# Altium PCB TIDA-01576_ADS8686S_ISO_Interface.PcbDoc (part 4 of 4)
Units mil, origin at the board's own origin, x right, y up, seen from the top; angles counter-clockwise.
Board outline 6102.36 x 3937.01 mil, 4 copper layers (Top Layer, VCC, GND, Bottom Layer), stack 61.6 mil thick; 358 components, 188 nets, 975 pads, 367 vias.
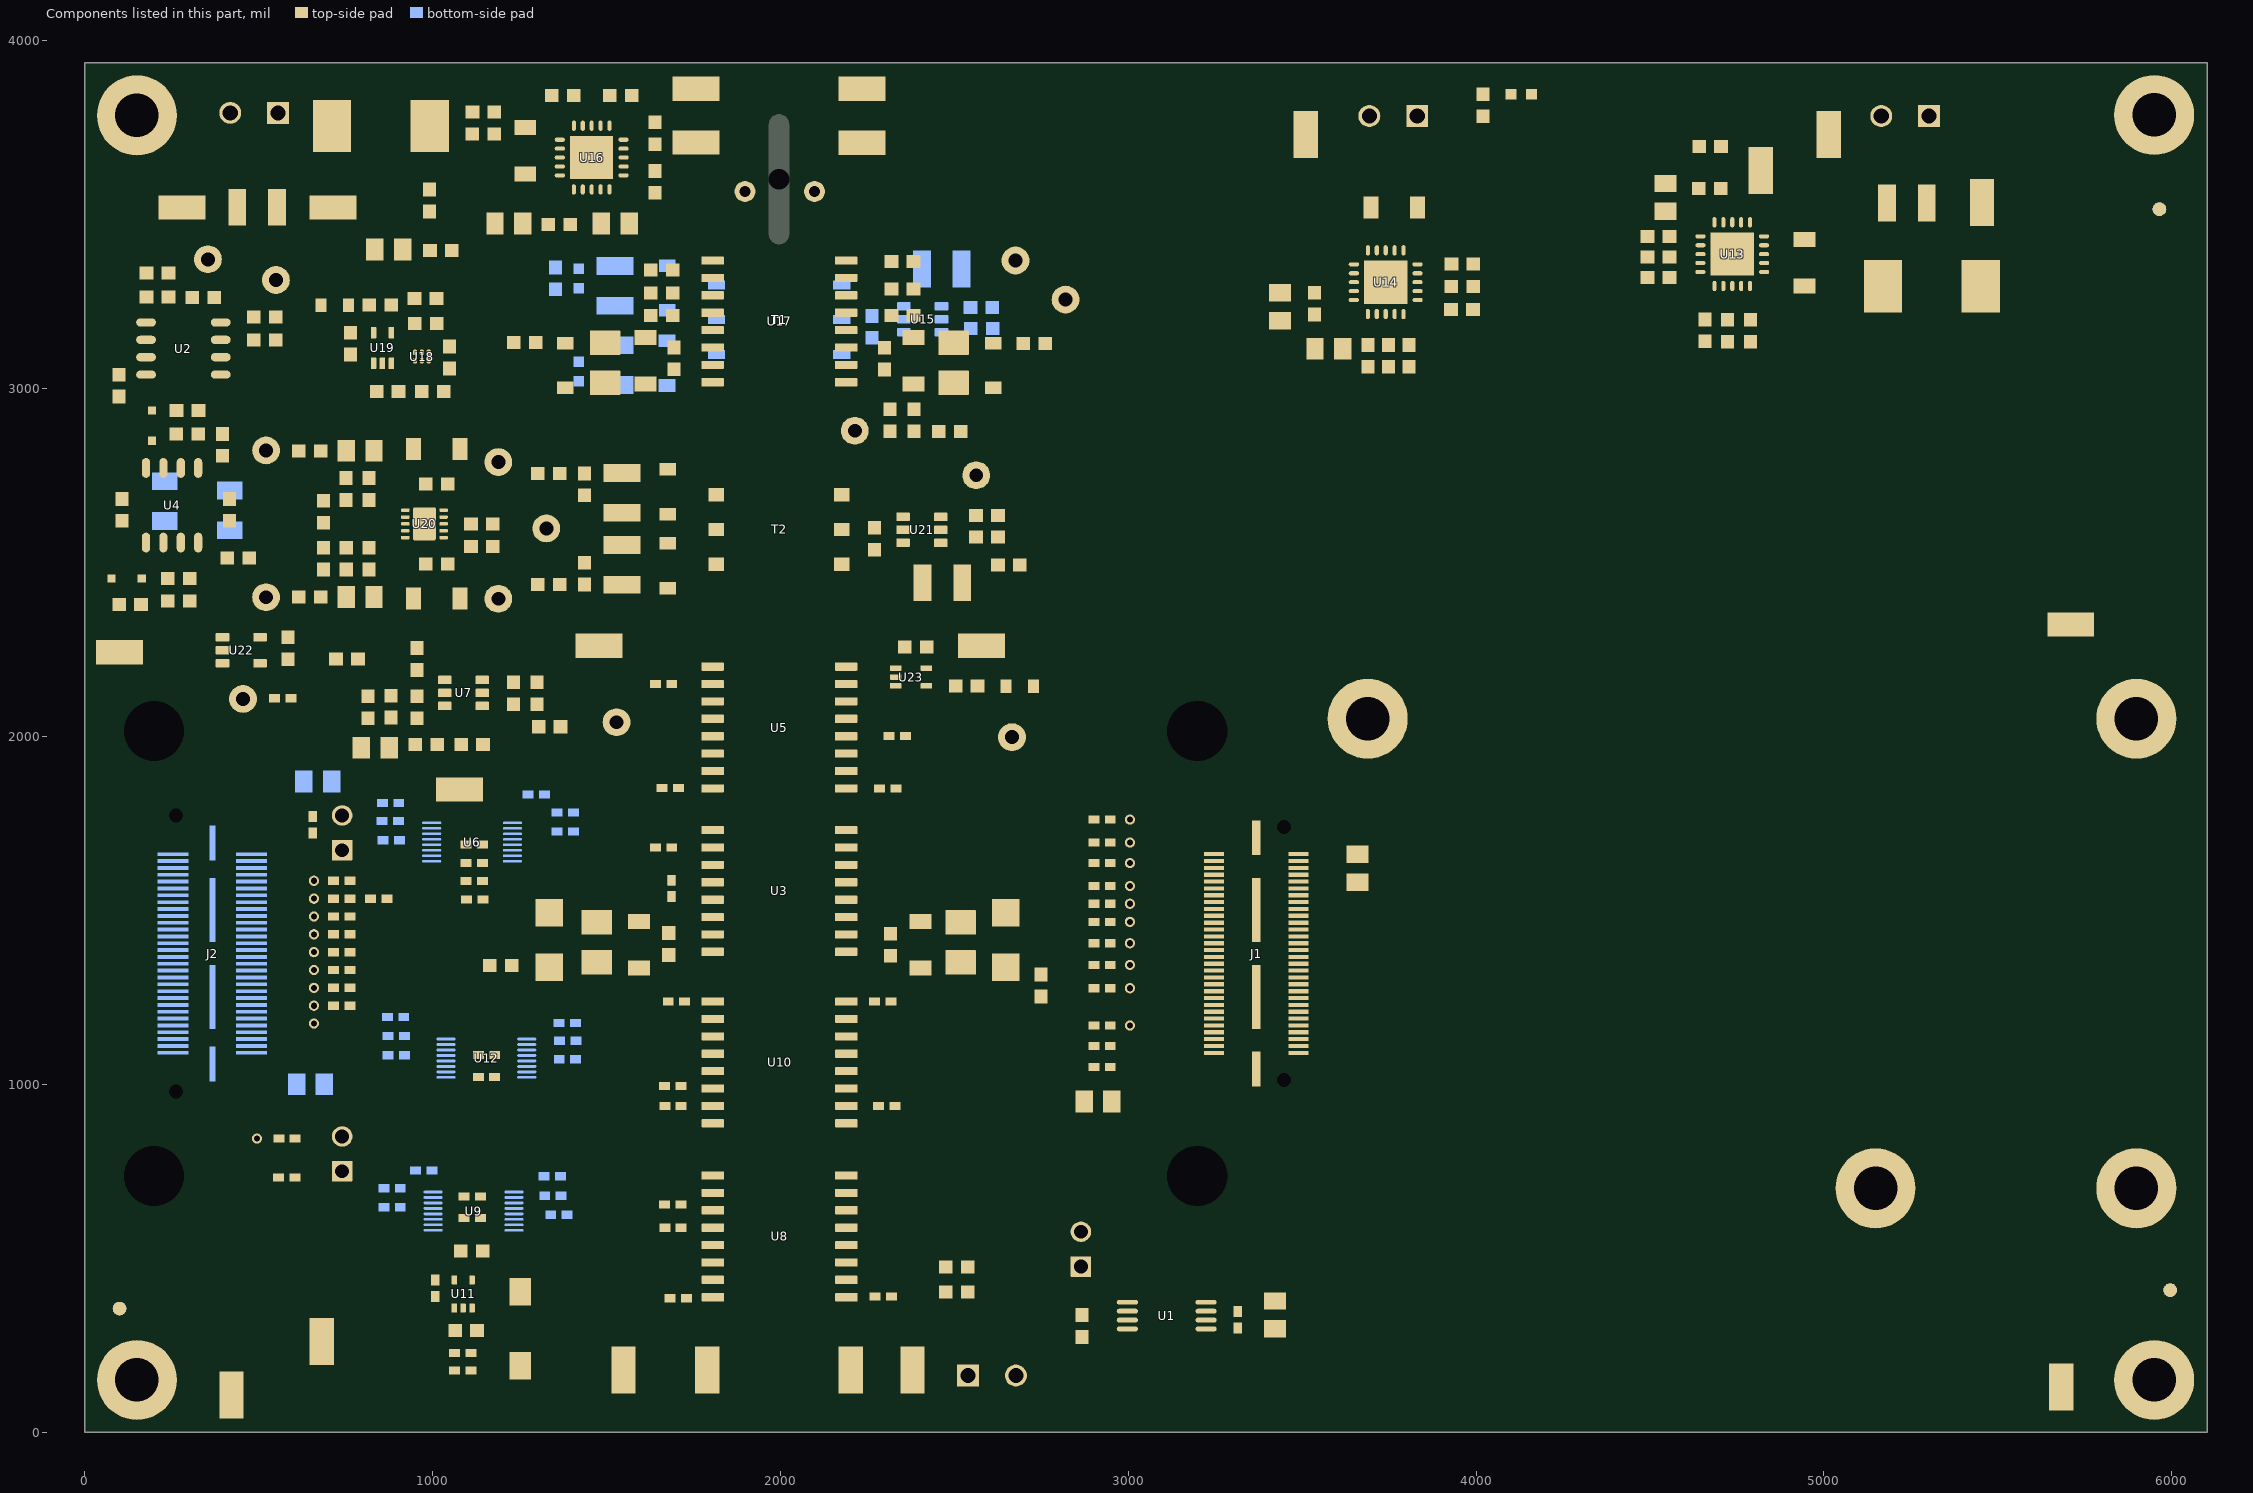
[diagram p6: the components of this part, seen from the top]

## Polygon pours and split planes (outlines as drawn) (continued)
NetC78_2 on Top Layer "dg" (solid, remove dead copper, pour order 140): 1081.3,2715.7 1097.6,2732 1320,2732 1324,2736 1324,2870 1307.21,2886.79 1029.39,2886.79 1020.39,2877.79 1020.39,2644.79 1022.39,2642.79 1062.39,2642.79 1069.39,2649.79 1069.39,2666.79 1069.39,2703.79
NetC67_2 on Top Layer "dg" (solid, remove dead copper, pour order 138): 1111.06,2477.06 1130.12,2458 1321.43,2458 1324.58,2454.84 1324.58,2344.58 1316,2336 1159.65,2336 1159.39,2335.73 1029.39,2335.73 1020.39,2344.73 1020.39,2577.73 1022.39,2579.73 1062.39,2579.73 1069.39,2572.73 1069.39,2555.73 1069.39,2518.73
GND on Top Layer "TOP_LAYER_GND_P056" (solid, remove dead copper, pour order 56): 3190.75,337.5 3292,337.5 3300,329.5 3365,329.5 3385.75,350.25 3461.25,350.25 3470,359 3470,454.75 3452.25,472.5 3207.25,472.5 3185.75,451 3185.75,342.5 3190.75,337.5
PGND2 on Bottom Layer "BOTTOM_LAYER_PGND2_P258" (solid, remove dead copper, pour order 258): 5717,28 5728,39 5728,188 5707,209 2172,209 2155,192 2155,37 2164,28
PGND1 on Bottom Layer "BOTTOM_LAYER_PGND1_P256" (solid, remove dead copper, pour order 256): 5500,3749 5614,3635 5614,2279 5624,2269 5783,2269 5796,2282 5796,3793.02 5679.73,3912 2161,3912 2155,3906 2155,3771 2177,3749
I_PGND1 on Bottom Layer "BOTTOM_LAYER_I_PGND1_P254" (solid, remove dead copper, pour order 254): 1828,3912 372,3912 309,3849 309,3664.2 278.8,3634 91,3634 29,3572 29,2207 41,2195 154.35,2195 190,2230.65 190,3416 214,3440 418,3440 441,3463 441,3663 543,3765 1826,3765 1839,3778 1839,3901
I_PGND2 on Bottom Layer "BOTTOM_LAYER_I_PGND2_P252" (solid, remove dead copper, pour order 252): 381,26 373,34 373,199 392,218 1821,218 1839,200 1839,32 1833,26
IGND on Bottom Layer "BOTTOM_LAYER_IGND_P244" (solid, remove dead copper, pour order 244): 681,1840 690,1831 803,1831 816,1844 816,1955 800,1971 698,1971 681,1954
ISO_5V5 on Bottom Layer "BOTTOM_LAYER_ISO_5V5_P242" (solid, remove dead copper, pour order 242): 432,1653 534.68,1653 661,1779.32 661,1992 645,2008 522,2008 498,1984 498,1826 428,1756 429.5,1754.5 429.5,1655.5
+6V_PH on Bottom Layer "BOTTOM_LAYER_+6V_PH_P208" (solid, remove dead copper, pour order 208): 1073,3840 1080,3847 1145,3847 1154,3838 1154,3747.98 1154,3380 1226.59,3307.41 1377,3307.41 1381.27,3303.14 1381.27,3240.27 1374,3233 1184,3233 1073,3344 1073,3749
IGND on Bottom Layer "BOTTOM_LAYER_IGND_P206" (solid, remove dead copper, pour order 206): 1396.38,3302 1396.38,3065.62 1406,3056 1577,3056 1586,3065 1586,3296 1577,3305 1399.38,3305
NetC51_1 on Bottom Layer "BOTTOM_LAYER_NETC51_1_P204" (solid, remove dead copper, pour order 204): 1320.35,3385.35 1320.35,3333.65 1327,3327 1702.63,3327 1707.63,3332 1707.63,3386.37 1702,3392 1327,3392
-6V_PH on Bottom Layer "BOTTOM_LAYER_-6V_PH_P202" (solid, remove dead copper, pour order 202): 1398,3040 1391,3033 1391,2978 1394,2975 1701.63,2975 1706.63,2980 1706.63,3034.37 1701,3040
NetD7_2 on Bottom Layer "BOTTOM_LAYER_NETD7_2_P200" (solid, remove dead copper, pour order 200): 1637,3126 1645,3118 1708,3118 1709,3119 1709,3182 1779,3252 1830.63,3252 1839,3260.37 1839,3326 1832,3333 1741,3333 1637,3229
AGND on GND "GND_AGND_P232" (solid, remove dead copper, pour order 232): 592,3433 614,3411 614,2953 664,2903 1204,2903 1234,2873 1234,2351.52 1215.48,2333 769,2333 745,2309 745,2170 733,2158 379,2158 336.19,2200.81 63.19,2200.81 32,2232 32,3422 43,3433
GND on GND "GND-GND" (solid, pour order 58): 2156,2568.51 2156,3880 2187,3911 5753,3911 5796,3868 5796,2282 5783,2269 3056,2269 3001,2214 3001,1896 3070,1827 3618,1827 3693,1752 3693,998 3608,913 3076,913 3009.25,846.25 3009.25,584.57 3046.18,547.75 3417,547.75 3463,501.75 3463,62 3429,28 2573.95,28 2446,28 2173.25,28 2156,45.25
IGND on GND "GND_IGND_P034" (solid, remove dead copper, pour order 34): 32,3467 46,3453 604,3453 642,3415 642,2958 676,2924 1222.2,2924 1256,2890.2 1256,2343 1225,2312 781,2312 766,2297 766,2159 744,2137 396.86,2137 375,2116.27 375,1850 346,1821 62,1821 32,1791 32,959 70,921 339.5,921 375,885.5 375,56 405,26 1815,26 1838,49 1838,3902 1829,3911 342,3911 309,3878 309,3664.2 278.8,3634 59,3634 32,3606
ISO_3P3V on VCC "VCC_ISO_3P3V_P250" (solid, remove dead copper, pour order 250): 278.8,3634 60,3634 32,3606 32,2232 63.19,2200.81 343.81,2200.81 354.27,2211.27 354.27,2262.27 391.23,2299.23 589.86,2299.23 614,2323.37 614,3433 643,3462 967,3462 989,3440 989,2692 1343,2338 1343,1978 1306,1941 1200.77,1941 1192,1932.23 1192,1465 1157,1430 1006,1430 997,1421 997,1262 1008.02,1250.98 1208.64,1250.98 1247,1212.62 1247,603 1151,507 397,507 375,485 375,56 405,26 1815,26 1838,49 1838,3902 1829,3911 342,3911 309,3878 309,3664.2
ISO_5V5 on VCC "VCC_ISO_5V5_P240" (solid, remove dead copper, pour order 240): 946,3440 968,3418 968,2682.97 1323,2327.97 1323,1988 1297,1962 843,1962 789,1908 393.31,1908 375,1926.31 375,2238 416,2279 600,2279 642,2321 642,3423 659,3440
+5V_CNTL on VCC "VCC_+5V_CNTL_P234" (solid, remove dead copper, pour order 234): 3529,2292 3552,2269 5783,2269 5796,2282 5796,2803 5796,3868 5753,3911 2187,3911 2156,3880 2156,2415 2180,2391 2665,2391 2833,2559 2833,3164 2923.51,3254.51 3494,3254.51 3529,3219.51
NON-ISO_3P3V on VCC "GND-GND" (solid, pour order 238): 3508.61,3195.39 3508.61,2292.11 3485.5,2269 3056,2269 3001,2214 3001,1896 3070,1827 3618,1827 3693,1752 3693,998 3608,913 3076,913 3009.25,846.25 3009.25,584.57 3046.18,547.75 3417,547.75 3463,501.75 3463,62 3429,28 2573.95,28 2446,28 2173.25,28 2156,45.25 2156,2312.92 2156,2347 2179,2370 2674,2370 2847.74,2543.73 2847.74,3150.74 2930,3233 3471,3233
ISO_DVDD on VCC "VCC_ISO_DVDD_P050" (solid, remove dead copper, pour order 50): 1172,1474 1148,1450 993,1450 977,1434 977,1253 1000,1230 1201,1230 1226,1205 1226,1138 1226,612 1141.5,527.5 398.5,527.5 375,551 375,887 341,921 70,921 32,959 32,1791 62,1821 346,1821 408,1883 834,1883 892,1941 1165,1941 1172,1934

## Keep-outs
Keep-Out Layer:
  the board outline again, w10
  text ".Layer_Name" at -765,-1082.49 h60

## Other copper
Top Layer:
  text ".Layer_Name" at -765,-1082.49 h60
VCC:
  text ".Layer_Name" at -740.75,-1076.49 h60
GND:
  text ".Layer_Name" at -728.5,-1076.49 h60
Bottom Layer:
  text ".Layer_Name" at -765,-1082.49 h60
Multi-Layer:
  pour cut-out: 1839,0 2155,0 2155,3937 1839,3937

## Silkscreen, mask and mechanical layers (free items; w line width, h text height)
Top Overlay:
  circle w6: c2295,2196 r9.85
  lines w6: 355.9,2898.39 371.52,2914 435.04,2914 450.04,2929 ; 788.4,1555.37 801.03,1568 855,1568 861,1574 ; 792,3040 802.82,3040 814.82,3052 ; 2278,2998 2343.54,2998 ; 4864,3705 4864,3752.98
  text "PGND1" at 2326,3867 h40
  text "I_PGND1" at 1854,3865 h40
  text "+5V_CNTL" at 4628,3766.09 h40
  text "GND" at 2328.1,3710.59 h40
  text "IGND" at 1897,3663 h40 r90
  text "+12VDC" at 5411,3635 h40
  text "ISO_6V" at 642,3582 h40
  text "GND" at 4964,3562 h40
  text "GND" at 3459,3552 h40
  text "IGND" at 46,3503.38 h40
  text "FAULT" at 2740,3401 h40
  text "SYNC" at 2890,3220 h40
  text "EN" at 2082,2861 h40
  text "GND" at 2624,2780 h40
  text "-12V" at 466.49,2715.38 h40
  text "IGND" at 1250,2666.73 h40
  text "U20" at 827,2602 h25
  text "+12V" at 566,2462 h40 r90
  text "PGND1" at 5633,2381 h40
  text "IGND" at 1247.21,2252 h40
  text "I_PGND1" at 20,2143 h40
  text "ISO_DVDD" at 1170.55,1835.81 h40
  text "SDOA/B" at 449,1810 h40
  text "SEL" at 489,1747.68 h40
  text "SERIAL" at 634,638 h40
  text "SEL" at 687,574 h40
  text ".PRJ_Number" at 3769.92,338.15 h108.27
  text "I_PGND2" at 309,247 h40
  text "Rev - E1" at 4436,227.25 h80
  text "IGND" at 613,123 h40
  text "PGND2" at 5432,115 h40
  text "I_PGND2" at 1698.58,45 h40
  text "IGND" at 1482,42 h40
  text "GND" at 2327,42 h40
  text "PGND2" at 2096,40 h40
  text ".Layer_Name" at -765,-1082.49 h60
Bottom Overlay:
  text ".Layer_Name" at -765,-1082.49 h60
Top Paste:
  text ".Layer_Name" at -765,-1082.49 h60
Bottom Paste:
  text ".Layer_Name" at -765,-1082.49 h60
Top Solder:
  text ".Layer_Name" at -765,-1082.49 h60
  text ".Layer_Name" at -765,-1082.49 h60
Bottom Solder:
  text ".Layer_Name" at -765,-1082.49 h60
Drill Guide:
  text ".Layer_Name" at -765,-1082.49 h60
M1 Board Outline:
  lines w10: -1342,2723.5 -1341.24,2724.26 ; 0,0 0,3937.01 6102.36,3937.01 6102.36,0 0,0
M2 Board Dimensions:
  rectangle: -1342,-499 -1217,-374
  rectangle: -1217,-624 -842,-499
  lines w7: -1342,-499 -342,-499 ; -1217,-624 -1217,-374 ; -1092,-624 -1092,-374 ; -842,-624 -842,-374 ; -592,-624 -592,-374 ; -1342,-624 -342,-624 -342,-374 -1342,-374 -1342,-624
M3 3D STEP Top:
  text ".Layer_Name" at -765,-1082.49 h60
M4 3D STEP Bottom:
  lines w5: 6023.74,934.71 6023.74,576 3062.69,576 3062.69,2176 6023.74,2176 6023.72,1157.2 5954.95,1157.18 ccw(c5954.95,1139.47) 5954.95,1121.75 6023.76,1121.67 ; 6023.73,934.74 5954.95,934.74 cw(c5954.95,952.46) 5954.95,970.17 6023.74,970.14 6023.74,1121.68
M5 Assembly Top:
  circle w10: c831,3052 r9.85
  circle w10: c370,2286 r9.85
  circle w10: c2295,2196 r9.85
  circle w10: c3442,1662 r9.85
  circle w10: c2129,3018 r9.85
  circle w10: c2124,1850 r9.85
  circle w10: c2125,1381 r9.85
  circle w10: c1869,1238 r9.85
  circle w10: c2125,389 r9.85
  circle w10: c1063,341 r3.16
  lines w10: -1634,-1154.17 4966,-1154.17 ; -1634,-950.83 4968,-950.83 ; -1634,-747.5 -1634,-1357.5 2371,-1357.5 4968,-1357.5 4968,-747.5 -1633.5,-747.5 -1633.5,-1357.5 -58,-1357.5 ; 831,-1357.5 831,-747.5 ; 2098,-950.83 2098,-747.5 ; 2938,-950.83 2938,-747.5 ; 3560,-1364 3560,-1161.17
  text "COMPONENTS MARKED 'DNP' SHOULD NOT BE POPULATED." at -188.5,-542.5 h20
  text "ASSEMBLY VARIANT:" at -189,-658 h20
  text ".VariantName" at 847,-658 h20
  text ".PRJ_Number" at 1080,-872 h20
  text "PCB VIEWED FROM TOP SIDE" at -1570.5,-879.67 h20
  text "BOARD #:" at 906,-879.67 h20
  text "REV:" at 2296,-879.67 h20
  text ".PCB_Rev" at 2587.5,-879.67 h20
  text "SVN REV:" at 3134,-879.67 h20
  text ".VersionControl_RevNumber" at 3640,-879.67 h20
  text ".Layer_Name" at -1306,-1071 h20
  text "LAYER NAME =" at -1567.41,-1078.49 h20
  text "TID #:" at 906,-1083 h20
  text ".TID" at 1039,-1083 h20
  text ".plot_File_Name" at -1322,-1279 h20
  text "PLOT NAME =" at -1570.5,-1288.34 h20
  text "GENERATED    :" at 908,-1288.34 h20
  text ".Print_Date" at 1777.5,-1288.34 h20
  text ".Print_Time" at 2506.5,-1288.34 h20
  text "TEXAS INSTRUMENTS" at 3771,-1288.34 h20
M6 Assembly Bottom:
  circle w10: c535.44,1661.44 r8.48
  lines w10: -1634.5,-951.33 4967.5,-951.33 ; -1632.5,-1154.67 4967.5,-1154.67 ; -226.5,-1364.5 -226.5,-1161.67 ; 395.5,-951.33 395.5,-748 ; 1235.5,-951.33 1235.5,-748 ; 2502.5,-1358 2502.5,-748 ; 3391.5,-1358 4967,-1358 4967,-748 -1634.5,-748 -1634.5,-1358 962.5,-1358 4967.5,-1358 4967.5,-748
  text "C4" at 663,991 h20
  text "COMPONENTS MARKED 'DNP' SHOULD NOT BE POPULATED." at 4760,-542 h20
  text ".VariantName" at 3716,-658 h20
  text "ASSEMBLY VARIANT:" at 4755,-658 h20
  text ".PRJ_Number" at 2257,-878.17 h20
  text ".VersionControl_RevNumber" at -306.5,-880.17 h20
  text "SVN REV:" at 199.5,-880.17 h20
  text ".PCB_Rev" at 746,-880.17 h20
  text "REV:" at 1037.5,-880.17 h20
  text "BOARD #:" at 2427.5,-880.17 h20
  text "PCB VIEWED FROM BOTTOM SIDE" at 4904,-880.17 h20
  text ".Layer_Name" at 4623,-1051 h20
  text "LAYER NAME =" at 4899.76,-1053.49 h20
  text ".TID" at 2282,-1082.5 h20
  text "TID #:" at 2427.5,-1083.5 h20
  text ".plot_File_Name" at 4645.5,-1286.84 h20
  text "TEXAS INSTRUMENTS" at -437.5,-1288.84 h20
  text ".Print_Time" at 827,-1288.84 h20
  text ".Print_Date" at 1556,-1288.84 h20
  text "GENERATED    :" at 2425.5,-1288.84 h20
  text "PLOT NAME =" at 4904,-1288.84 h20
M9 Title Sheet:
  drawing of 57 lines, arcs and shapes, not listed
  text "1" at -602.16,7812.5 h70
  text "2" at 1893.5,7812.5 h70
  text "3" at 4382.84,7812.5 h70
  text "4" at 6889.51,7812.5 h70
  text "5" at 9388.5,7812.5 h70
  text "6" at 11893.5,7812.5 h70
  text "A" at -1758.5,6669.5 h70
  text "A" at 13041.5,6669.5 h70
  text "B" at -1758.5,4289.5 h70
  text "B" at 13041.5,4289.5 h70
  text "C" at -1758.5,1914.5 h70
  text "C" at 13041.5,1914.5 h70
  text "PROJECT TITLE:" at 10001.5,53.5 h45
  text ".PRJ_Title" at 10051.5,-79.83 h70
  text "DESIGNED FOR:" at 10001.5,-247.5 h45
  text ".PRJ_Customer" at 10051.5,-387.5 h70
  text "D" at -1758.5,-455.5 h70
  text "D" at 13041.5,-455.5 h70
  text "FILE NAME:" at 10001.5,-547.5 h45
  text ".PCB_File_Name_No_Path" at 10051.5,-667.5 h70
  text "Texas Instruments (TI) and/or its licensors do not warrant the accuracy or completeness of this specification" at 5032,-829.34 h45
  text "ENGINEER:" at 10001.5,-837.5 h45
  text "LAYOUT BY:" at 11506.5,-837.5 h45
  text "or any information contained therein. TI and/or its licensors do not warrant that this design will meet" at 4987.01,-942 h45
  text ".PRJ_Engineer" at 10003.5,-992.49 h70
  text ".PCB_Layout" at 11557,-992.49 h70
  text "the specifications, will be suitable for your application or fit for any particular purpose, or will operate in" at 4987.01,-1054.67 h45
  text "ALTIUM DESIGNER VERSION:" at 11506.5,-1147.5 h45
  text "an implementation. TI and/or its licensors do not warrant that the design is production worthy. You should" at 4987.01,-1167.33 h45
  text "completely validate and test your design implementation to confirm the system functionality for your application." at 5032,-1280 h45
  text ".print_Scale" at 10051.5,-1280.83 h70
  text ".Application_BuildNumber" at 11557,-1280.83 h70
  text "1" at -602.16,-1487.5 h70
  text "2" at 1893.5,-1487.5 h70
  text "3" at 4382.84,-1487.5 h70
  text "4" at 6889.51,-1487.5 h70
  text "5" at 9388.5,-1487.5 h70
  text "6" at 11893.5,-1487.5 h70
M10 Fab Notes:
  drawing of 173 lines, arcs and shapes, not listed
  text "ALL VIAS ARE  TENTED EXCEPT THERMAL VIAS" at 9964,6271.76 h60
  text "THIS IS NOT AN IMPEDENCE CONTROLLED  BOARD" at 9956,6148.76 h60
  text "DESIGN INFORMATION" at 11036.02,5977 h60
  text "MIN. TRACK WIDTH:" at 10391.46,5797 h60
  text "8" at 11487.7,5797 h60
  text "MIL" at 11642.46,5797 h60
  text "6" at 11489.5,5674.25 h60
  text "MIN. CLEARANCE:" at 10391.46,5665 h60
  text "MIL" at 11642.46,5665 h60
  text "MIN. VIA PAD SIZE:" at 10391.46,5533 h60
  text "24" at 11457.71,5533 h60
  text "MIL" at 11642.46,5533 h60
  text "5.8MIL" at 11086.46,5391.29 h60
  text "MINIMUM ANNULAR RING" at 10062.23,5387 h60
  text "EXTERNAL" at 11794.46,5387 h60
  text "PER" at 10262.23,5269 h60
  text "IPC-D-275 CLASS 2 LEVEL C" at 10482.23,5269 h60
  text "MIL, HOLES" at 11970.46,5156.71 h60
  text "+/-" at 11578,5156 h60
  text "+/-" at 12432,5156 h60
  text "REGISTRATION TOLERANCES:" at 10062.23,5151 h60
  text "METAL" at 11262,5151 h60
  text "5" at 11838.2,5151 h60
  text "2" at 12671.2,5151 h60
  text "MIL" at 12787.46,5151 h60
  text "+/-" at 12432,5038 h60
  text "HOLE SIZE TOLERANCE (UNLESS OTHERWISE SPECIFIED):" at 10062.23,5033 h60
  text "2" at 12671.2,5033 h60
  text "MIL" at 12787.46,5033 h60
  text "MATERIAL:" at 9987.46,4823.54 h60
  text "FR-4 High Tg" at 10973.9,4683.21 h60
  text "FR-408" at 10408.46,4674.64 h60
  text "OTHER" at 11896.46,4674.64 h60
  text "X" at 10819,4671 h60
  text "62 MIL (1.6mm) +/-10%" at 10728.56,4511.92 h60
  text "THICKNESS:" at 10062.23,4507.64 h60
  text "X" at 10600.4,4507.64 h60
  text "OTHER" at 12013.46,4507.64 h60
  text "TOLERANCE:" at 10062.23,4349.64 h60
  text "X" at 10901.53,4349.64 h60
  text "ANSI IPC-6012 TYPE 3 CLASS 2" at 11088.48,4349.64 h60
  text "OTHER +/-" at 11088.46,4193.64 h60
  text "BOW & TWIST:" at 10062.23,4036.64 h60
  text "X" at 10901.53,4036.64 h60
  text "ANSI IPC-6012 TYPE 3 CLASS 2" at 11088.48,4036.64 h60
  text "OTHER +/-" at 11088.46,3878.13 h60
  text "DRILLING:" at 9987.46,3739.64 h60
  text "REFERENCE:" at 10062.23,3622.64 h60
  text "X" at 10710.46,3622.64 h60
  text "AS SHOWN" at 10897.46,3622.64 h60
  text "X" at 11611.46,3622.64 h60
  text "NC_DRILL FILES" at 11748.46,3622.64 h60
  text "PTH COPPER THICKNESS:" at 10062.23,3464.64 h60
  text "X" at 11192.46,3464.64 h60
  text "20-30 um" at 11329.46,3464.64 h60
  text "OTHER" at 12046.46,3464.64 h60
  text "BOARD FINISH:" at 9987.46,3305.64 h60
  text "SILKSCREEN:" at 10142.68,3187.64 h60
  text "X" at 11091.46,3187.64 h60
  text "TOP" at 11217.46,3187.64 h60
  text "X" at 11601.46,3187.64 h60
  text "BOTTOM" at 11728.46,3187.64 h60
  text "SILKSCREEN COLOR:" at 10142.68,3020.64 h60
  text "X" at 11090.42,3020.64 h60
  text "WHITE" at 11217.46,3020.64 h60
  text "OTHER" at 11728.46,3020.64 h60
  text "X" at 11221.42,2861.44 h60
  text "GREEN" at 11348.46,2861.44 h60
  text "OTHER" at 11966.46,2861.44 h60
  text "SOLDER RESIST COLOR:" at 10142.68,2850.64 h60
  text "X" at 11221.42,2691.44 h60
  text "MATTE" at 11348.46,2691.44 h60
  text "SEMI-GLOSS" at 11966,2690.8 h60
  text "FAB NOTES:" at 6152,2676 h60
  text "IMMERSION GOLD (ENIG)" at 11048.46,2502.92 h60
  text "ENEPIG" at 12386,2499.64 h60
  text "SURFACE FINISH:" at 9987.46,2498.64 h60
  text "X" at 10861.51,2498.64 h60
  text "1. CORE THICKNESS BETWEEN LAYER VCC AND GND SHOULD BE 40 MIL(01 MM)." at 6133.75,2493.75 h60
  text "IMM. TIN/SILVER OR EQUIV" at 10317,2341.64 h60
  text "OTHER" at 11748.46,2341.64 h60
  text "ARRAY/PANEL:" at 9987.46,2162.64 h60
  text "X" at 10860.21,2162.64 h60
  text "CUT AND TRIM PER M1 BOARD OUTLINE" at 11048.46,2158.35 h60
  text "N.C. ROUTE" at 11048.46,2006.64 h60
  text "V. SCORE" at 11914.46,2006.64 h60
  text "CERTIFICATION:" at 9987.46,1869.64 h60
  text "MATERIALS AND WORKMANSHIP FOR ALL PCBS" at 10712.46,1869.64 h60
  text "TO MEET OR EXCEED THE REQUIREMENTS OF:" at 10712.46,1771.64 h60
  text "X" at 10338.96,1635.13 h60
  text "ANSI IPC-A-600F CLASS ->" at 10477.96,1635.13 h60
  text "X" at 12117.02,1635.13 h60
  text "2" at 12235.96,1635.14 h60
  text "1" at 11920.96,1633.64 h60
  text "3" at 12589.96,1633.64 h60
  text "X" at 11153.02,1475.64 h60
  text "RoHS" at 11289.96,1475.64 h60
  text "OTHER" at 11934.36,1475.64 h60
  text "PER ORDER" at 12331.42,1475.64 h60
  text "ALL BOARDS MUST MEET OR EXCEED UL94-V0 REQUIREMENTS." at 10015,1310 h60
  text "PCB MUST BEAR THE UL94V-0 UL REGISTERED MATERIAL ID NUMBER" at 10015,1190 h60
  text "ADDITIONAL REQUIREMENTS:" at 9987.46,1016.64 h60
  text "MICROSECTION:" at 10062.23,901.64 h60
  text "YES" at 10967.96,901.64 h60
  text "REQUIRED" at 11829.46,745.49 h60
  text "BARE BOARD ELEC. TEST:" at 10062.23,742.64 h60
  text "NONE" at 11367.96,742.64 h60
  text "X" at 11702.46,742.64 h60
  text "PER ORDER" at 12421.46,742.64 h60
M11 Gerber Information:
  lines w10: -1634,-1154.17 4966,-1154.17 ; -1634,-950.83 4968,-950.83 ; -1634,-747.5 -1634,-1357.5 2371,-1357.5 4968,-1357.5 4968,-747.5 -1633.5,-747.5 -1633.5,-1357.5 -58,-1357.5 ; 831,-1357.5 831,-747.5 ; 2098,-950.83 2098,-747.5 ; 2938,-950.83 2938,-747.5 ; 3560,-1364 3560,-1161.17
  text "ALL ARTWORK VIEWED FROM TOP SIDE" at -1570.5,-879.67 h60
  text "BOARD #:" at 906,-879.67 h60
  text ".PRJ_Number" at 1451.5,-879.67 h60
  text "REV:" at 2296,-879.67 h60
  text ".PCB_Rev" at 2587.5,-879.67 h60
  text "SVN REV:" at 3134,-879.67 h60
  text ".VersionControl_RevNumber" at 3640,-879.67 h60
  text "LAYER NAME =" at -1570.5,-1082.49 h60
  text "TID #:" at 906,-1083 h60
  text ".TID" at 1451.5,-1083 h60
  text ".plot_File_Name" at -902,-1269.34 h40
  text "PLOT NAME =" at -1570.5,-1288.34 h60
  text "GENERATED    :" at 908,-1288.34 h60
  text ".Print_Date" at 1777.5,-1288.34 h60
  text ".Print_Time" at 2506.5,-1288.34 h60
  text "TEXAS INSTRUMENTS" at 3771,-1288.34 h60
M12 Stackup:
  drawing of 295 lines, arcs and shapes, not listed
  text "Layer" at 5372.5,5775.5 h60
  text "Name" at 5782.41,5775.5 h60
  text "Material" at 6712.16,5775.5 h60
  text "Thickness" at 7571.92,5775.5 h60
  text "Constant" at 8221.76,5775.5 h60
  text "Board Layer Stack" at 8791.62,5775.5 h60
  text "1" at 5372.5,5655.5 h60
  text "Top Overlay" at 5782.41,5655.5 h60
  text "2" at 5372.5,5535.5 h60
  text "Top Solder" at 5782.41,5535.5 h60
  text "Solder Resist" at 6712.16,5535.5 h60
  text "0.40mil" at 7571.92,5535.5 h60
  text "3.5" at 8221.76,5535.5 h60
  text "3" at 5372.5,5415.5 h60
  text "Top Layer" at 5782.41,5415.5 h60
  text "Copper" at 6712.16,5415.5 h60
  text "1.40mil" at 7571.92,5415.5 h60
  text "4" at 5372.5,5295.5 h60
  text "Dielectric 1" at 5782.41,5295.5 h60
  text "FR-4 High Tg" at 6712.16,5295.5 h60
  text "8.00mil" at 7571.92,5295.5 h60
  text "4.2" at 8221.76,5295.5 h60
  text "5" at 5372.5,5175.5 h60
  text "VCC" at 5782.41,5175.5 h60
  text "Copper" at 6712.16,5175.5 h60
  text "1.40mil" at 7571.92,5175.5 h60
  text "6" at 5372.5,5055.5 h60
  text "Dielectric2" at 5782.41,5055.5 h60
  text "FR-4 High Tg" at 6712.16,5055.5 h60
  text "40.00mil" at 7571.92,5055.5 h60
  text "4.8" at 8221.76,5055.5 h60
  text "7" at 5372.5,4935.5 h60
  text "GND" at 5782.41,4935.5 h60
  text "Copper" at 6712.16,4935.5 h60
  text "1.40mil" at 7571.92,4935.5 h60
  text "8" at 5372.5,4815.5 h60
  text "Dielectric3" at 5782.41,4815.5 h60
  text "FR-4 High Tg" at 6712.16,4815.5 h60
  text "8.00mil" at 7571.92,4815.5 h60
  text "4.8" at 8221.76,4815.5 h60
  text "9" at 5372.5,4695.5 h60
  text "Bottom Layer" at 5782.41,4695.5 h60
  text "Copper" at 6712.16,4695.5 h60
  text "1.40mil" at 7571.92,4695.5 h60
  text "10" at 5372.5,4575.5 h60
  text "Bottom Solder" at 5782.41,4575.5 h60
  text "Solder Resist" at 6712.16,4575.5 h60
  text "0.40mil" at 7571.92,4575.5 h60
  text "3.5" at 8221.76,4575.5 h60
  text "11" at 5372.5,4455.5 h60
  text "Bottom Overlay" at 5782.41,4455.5 h60
M13 Component Bodies Top:
  text ".Layer_Name" at -765,-1082.49 h60
M14 Component Bodies Bottom:
  text ".Layer_Name" at -765,-1082.49 h60
M15 Courtyards Top:
  text ".Layer_Name" at -765,-1082.49 h60
M16 Courtyards Bottom:
  text ".Layer_Name" at -765,-1082.49 h60
Drill Drawing:
  circle w10: c6243.63,1714.71 r27.59
  circle w10: c6243.63,1590.54 r16.56
  circle w10: c6243.63,1590.54 r27.59
  lines w10: 6216.04,693.71 6243.63,707.51 6271.23,693.71 6257.43,721.31 6271.23,748.9 6243.63,735.1 6216.04,748.9 6229.83,721.31 6216.04,693.71 ; 6216.04,831.68 6229.83,831.68 6243.63,817.89 6257.43,831.68 6271.23,831.68 6257.43,845.48 6271.23,859.28 6257.43,859.28 6243.63,873.08 6229.83,859.28 6216.04,859.28 6229.83,845.48 6216.04,831.68 ; 6216.04,997.25 6271.23,997.25 6243.63,942.06 6216.04,997.25 ; 6216.04,1066.24 6216.04,1080.04 6229.83,1093.83 6216.04,1107.63 6216.04,1121.43 6229.83,1121.43 6243.63,1107.63 6257.43,1121.43 6271.23,1121.43 6271.23,1107.63 6257.43,1093.83 6271.23,1080.04 6271.23,1066.24 6257.43,1066.24 6243.63,1080.04 6229.83,1066.24 6216.04,1066.24 ; 6216.04,1245.61 6271.23,1245.61 6243.63,1190.42 6216.04,1245.61 ; 6216.04,1328.39 6229.83,1328.39 6229.83,1314.59 6257.43,1314.59 6257.43,1328.39 6271.23,1328.39 6271.23,1355.98 6257.43,1355.98 6257.43,1369.78 6229.83,1369.78 6229.83,1355.98 6216.04,1355.98 6216.04,1328.39 ; 6216.04,1438.77 6271.23,1438.77 6271.23,1493.96 6216.04,1493.96 6216.04,1438.77 ; 6216.04,1811.3 6271.23,1811.3 6271.23,1866.49 6216.04,1866.49 6216.04,1811.3 ; 6216.04,1963.07 6243.63,1935.47 6271.23,1963.07 6243.63,1990.66 6216.04,1963.07 ; 6227.07,986.22 6260.19,986.22 6243.63,953.1 6227.07,986.22 ; 6227.07,1822.33 6260.19,1822.33 6260.19,1855.45 6227.07,1855.45 6227.07,1822.33
  lines w12: 6166,656.46 9396.52,656.46 ; 6166,2022.39 9396.52,2022.39 ; 6503.86,532.28 6503.86,2146.57 ; 6835.86,532.28 6835.86,2146.57 ; 7472.42,532.28 7472.42,2146.57 ; 7731.53,532.28 7731.53,2146.57 ; 8106.68,532.28 8106.68,2146.57 ; 8830.06,532.28 8830.06,2146.57 ; 6166,532.28 9396.52,532.28 9396.52,2146.57 6166,2146.57 6166,532.28
  text "Symbol" at 6240.51,2059.65 h72
  text "Quantity" at 6541.11,2059.65 h72
  text "Finished Hole Size" at 6873.12,2059.65 h72
  text "Plated" at 7509.67,2059.65 h72
  text "Hole Type" at 7768.78,2059.65 h72
  text "Drill Layer Pair" at 8143.93,2059.65 h72
  text "Hole Tolerance" at 8867.32,2059.65 h72
  text "19" at 6541.11,1935.47 h60
  text "7.87mil (0.200mm)" at 6873.12,1935.47 h60
  text "PTH" at 7509.67,1935.47 h60
  text "Round" at 7768.78,1935.47 h60
  text "Top Layer - Bottom Layer" at 8143.93,1935.47 h60
  text "348" at 6541.11,1811.3 h60
  text "12.00mil (0.305mm)" at 6873.12,1811.3 h60
  text "PTH" at 7509.67,1811.3 h60
  text "Round" at 7768.78,1811.3 h60
  text "Top Layer - Bottom Layer" at 8143.93,1811.3 h60
  text "20" at 6541.11,1687.12 h60
  text "17.72mil (0.450mm)" at 6873.12,1687.12 h60
  text "PTH" at 7509.67,1687.12 h60
  text "Round" at 7768.78,1687.12 h60
  text "Top Layer - Bottom Layer" at 8143.93,1687.12 h60
  text "2" at 6541.11,1562.94 h60
  text "32.00mil (0.813mm)" at 6873.12,1562.94 h60
  text "PTH" at 7509.67,1562.94 h60
  text "Round" at 7768.78,1562.94 h60
  text "Top Layer - Bottom Layer" at 8143.93,1562.94 h60
  text "2" at 6541.11,1438.77 h60
  text "40.00mil (1.016mm)" at 6873.12,1438.77 h60
  text "NPTH" at 7509.67,1438.77 h60
  text "Round" at 7768.78,1438.77 h60
  text "Top Layer - Bottom Layer" at 8143.93,1438.77 h60
  text "20" at 6541.11,1314.59 h60
  text "40.00mil (1.016mm)" at 6873.12,1314.59 h60
  text "PTH" at 7509.67,1314.59 h60
  text "Round" at 7768.78,1314.59 h60
  text "Top Layer - Bottom Layer" at 8143.93,1314.59 h60
  text "2" at 6541.11,1190.42 h60
  text "40.16mil (1.020mm)" at 6873.12,1190.42 h60
  text "NPTH" at 7509.67,1190.42 h60
  text "Round" at 7768.78,1190.42 h60
  text "Top Layer - Bottom Layer" at 8143.93,1190.42 h60
  text "8" at 6541.11,1066.24 h60
  text "43.31mil (1.100mm)" at 6873.12,1066.24 h60
  text "PTH" at 7509.67,1066.24 h60
  text "Round" at 7768.78,1066.24 h60
  text "Top Layer - Bottom Layer" at 8143.93,1066.24 h60
  text "1" at 6541.11,942.06 h60
  text "60.00mil (1.524mm)" at 6873.12,942.06 h60
  text "NPTH" at 7509.67,942.06 h60
  text "Slot" at 7768.78,942.06 h60
  text "Top Layer - Bottom Layer" at 8143.93,942.06 h60
  text "8" at 6541.11,817.89 h60
  text "125.00mil (3.175mm)" at 6873.12,817.89 h60
  text "PTH" at 7509.67,817.89 h60
  text "Round" at 7768.78,817.89 h60
  text "Top Layer - Bottom Layer" at 8143.93,817.89 h60
  text "4" at 6541.11,693.71 h60
  text "173.23mil (4.400mm)" at 6873.12,693.71 h60
  text "NPTH" at 7509.67,693.71 h60
  text "Round" at 7768.78,693.71 h60
  text "Top Layer - Bottom Layer" at 8143.93,693.71 h60
  text "434 Total" at 6541.11,569.54 h60
  text "Slot definitions :" at 6240.51,482.61 h60
  text "Routed Path Length" at 6690.51,482.61 h60
  text "= Calculated from tool start centre position to tool end centre position." at 7229.42,482.61 h60
  text "Hole Length" at 6690.51,432.94 h60
  text "= Routed Path Length + Tool Size = Slot length as defined in the PCB layout" at 7029.91,432.94 h60
  text "Drill tolarence:" at 6373,343 h60
  text "For 7.87 mil vias+0/-7.87mil" at 6368.74,232.15 h60
  text "For 12 mil vias+0/-12mil" at 6368.74,113.15 h60
  text "For  PTH +/-3mil" at 6368.74,6.15 h60
  text "For  NPTH +/-2mil" at 6368.74,-97.85 h60
  text ".Layer_Name" at -765,-1082.49 h60
M17 Embedded Cavity:
  drawing of 264 lines, arcs and shapes, not listed
  text ".Layer_Name" at -765,-1082.49 h60
M18 Embedded Assembly:
  text ".Layer_Name" at -765,-1082.49 h60
M19 Embedded Keepout:
  text ".Layer_Name" at -765,-1082.49 h60

## Dimensions
-1342,-624 to -342,-624 on M2 Board Dimensions
0,0 to 0,3937.01 on M2 Board Dimensions
0,0 to 6102.36,0 on M2 Board Dimensions

## Text inside footprints (layer, text, board x,y; h text height)
Logo2: Top Overlay "Pb" at 4571.4,2411.35 h60
Logo3: Top Overlay "For evaluation only; not FCC approved for resale." at 3904.43,143.1 h60
ZZ1: M5 Assembly Top "Install label in silkscreened box after final wash.  Text shall be 8 pt font.  Text shall be per the Label Table in the PDF schematic." at 92.25,5067.25 h20